# KiCad board mainPCB.kicad_pcb (continued)
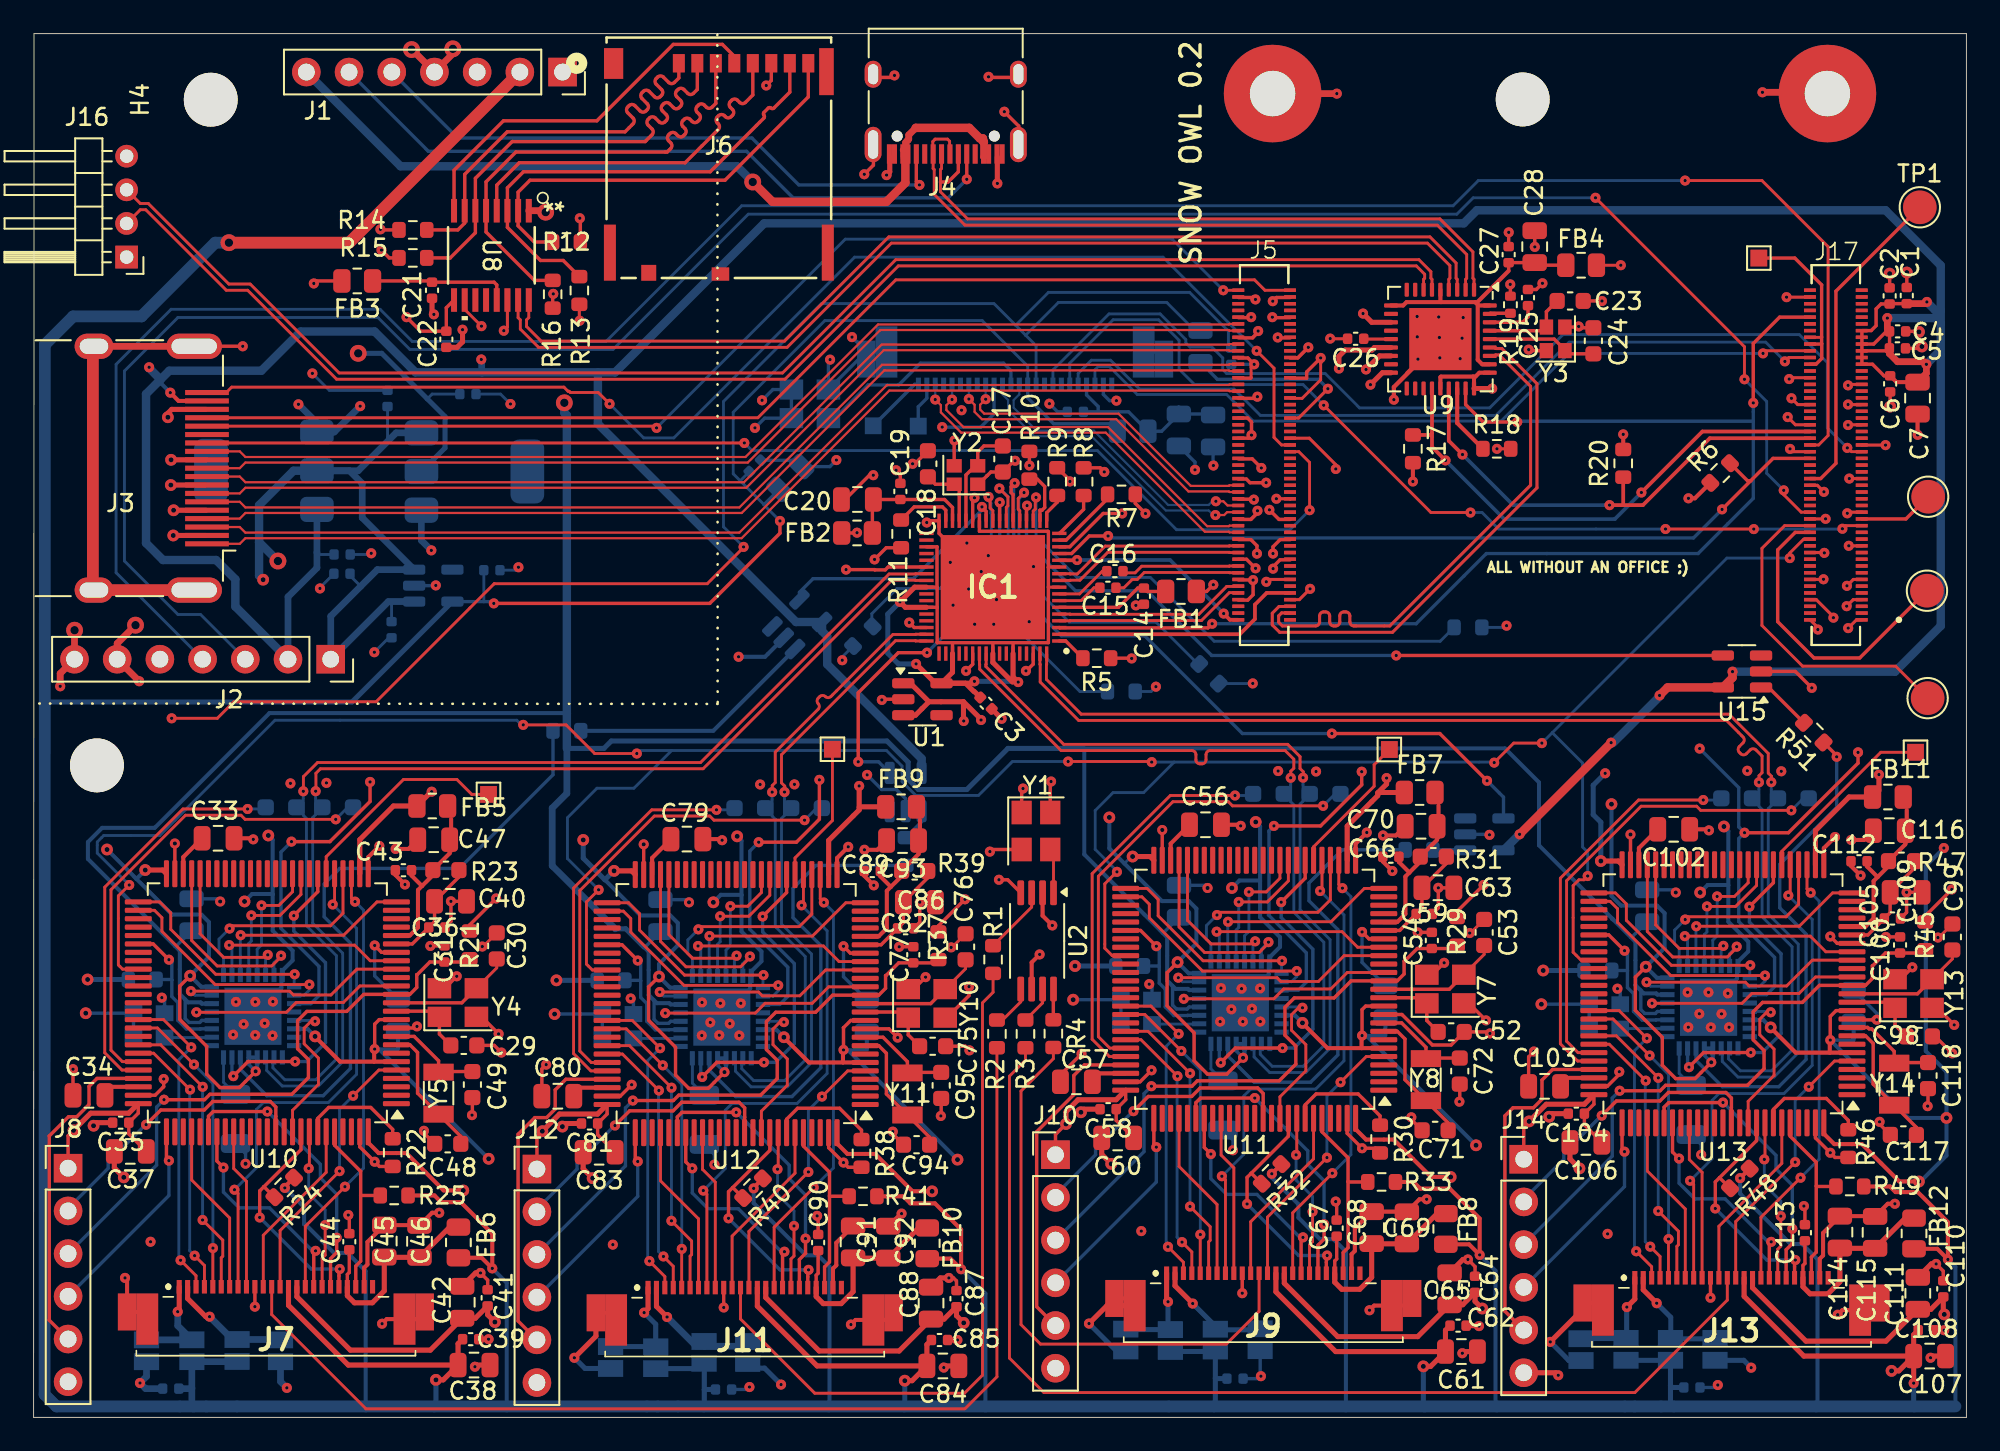
[diagram p0: board, top side]
## Library data of the parts
C1 C2 C5 C6 C14-C16 C19 C21 C22 C25-C27 C32 C35 C36 C39 C41 C43 C44 C55 C58 C59 C62 C64 C66 C67 C78 C81 C82 C85 C87 C89 C90 C101 C104 C105 C108 C110 C112 C113 C130 C133 C136 = -: Description: Unpolarized capacitor, small symbol; LCSC Part #: C1525; description/value: 0.1uF / decoupling cap; manufacturer part #: CL05B104KO5NNNC; package/footprint: 0402; part link: https://www.lcsc.com/product-detail/Multilayer-Ceramic-Capacitors-MLCC-SMD-SMT_Samsung-Electro-Mechanics-CL05B104KO5NNNC_C1525.html?s_z=n_0.1%2520uF%2520capacitor; supplier: LCSC; type: SMD; ki_fp_filters: C_*
C3 C8-C13 C31 C54 C77 C100 = -: Description: Unpolarized capacitor, small symbol; LCSC Part #: C14445; manufacturer part #: CL05B104KO5NNNC; package/footprint: 0402; part link: https://lcsc.com/product-detail/Multilayer-Ceramic-Capacitors-MLCC-SMD-SMT_Samsung-Electro-Mechanics-CL05A105KP5NNNC_C14445.html; supplier: LCSC; type: SMD; ki_fp_filters: C_*
C4 = -: Description: Unpolarized capacitor, small symbol; LCSC Part #: C1525; description/value: 0.1uF / decoupling ca; manufacturer part #: CL05B104KO5NNNC; package/footprint: 0402; part link: https://www.lcsc.com/product-detail/Multilayer-Ceramic-Capacitors-MLCC-SMD-SMT_Samsung-Electro-Mechanics-CL05B104KO5NNNC_C1525.html?s_z=n_0.1%2520uF%2520capacitor; supplier: LCSC; type: SMD; ki_fp_filters: C_*
C7 C20 C28 C37 C46 C47 C60 C69 C70 C83 C92 C93 C106 C115 C116 C132 = -: Description: Unpolarized capacitor; LCSC Part #: C15850; description/value: 10uF capacitor; manufacturer part #: CL21A106KAYNNNE; package/footprint: 0805; part link: https://www.lcsc.com/product-detail/Multilayer-Ceramic-Capacitors-MLCC-SMD-SMT_Samsung-Electro-Mechanics-CL21A106KAYNNNE_C15850.html?s_z=n_10%2520uF%2520capacitor; supplier: LCSC; type: SMD; ki_fp_filters: C_*
C17 C18 = -: manufacturer part #: CL10C150JB8NNNC; package/footprint: 0603; part link: https://lcsc.com/product-detail/Multilayer-Ceramic-Capacitors-MLCC-SMD-SMT_Samsung-Electro-Mechanics-CL10C150JB8NNNC_C1644.html?s_z=n_15pF; supplier: LCSC; LCSC Part #: C1647; ki_fp_filters: C_*
C23 C24 = -: manufacturer part #: CL10C150JB8NNNC; package/footprint: 0603; part link: https://lcsc.com/product-detail/Multilayer-Ceramic-Capacitors-MLCC-SMD-SMT_Samsung-Electro-Mechanics-CL10C150JB8NNNC_C1644.html?s_z=n_15pF; supplier: LCSC; LCSC Part #: C1644; ki_fp_filters: C_*
C29 C30 C48 C49 C52 C53 C71 C72 C75 C76 C94 C95 C98 C99 C117 C118 = -: Description: 17pF cap; manufacturer part #: 0603CG170J500NT; package/footprint: 0603; part link: https://lcsc.com/product-detail/Multilayer-Ceramic-Capacitors-MLCC-SMD-SMT_FH-Guangdong-Fenghua-Advanced-Tech-0603CG170J500NT_C3037647.html?s_z=n_17pF; supplier: LCSC; LCSC Part #: C3037647; ki_fp_filters: C_*
C33 C34 C50 C51 C56 C57 C73 C74 C79 C80 C96 C97 C102 C103 C119 C120 = -: manufacturer part #: CL21B225KAFNNNE; package/footprint: 0805; part link: https://lcsc.com/product-detail/Multilayer-Ceramic-Capacitors-MLCC-SMD-SMT_Samsung-Electro-Mechanics-CL21B225KAFNNNE_C19110.html?s_z=n_2.2uF; supplier: LCSC; LCSC Part #: C19110; ki_fp_filters: C_*
C38 C40 C42 C45 C61 C63 C65 C68 C84 C86 C88 C91 C107 C109 C111 C114 C131 C134 C135 = -: Description: Unpolarized capacitor, small symbol; LCSC Part #: C28323; description/value: 1uF unpolarized capacitor; manufacturer part #: CL21B105KBFNNNE; package/footprint: 0805; part link: https://lcsc.com/product-detail/Multilayer-Ceramic-Capacitors-MLCC-SMD-SMT_Samsung-Electro-Mechanics-CL21B105KBFNNNE_C28323.html?s_z=n_1uf; supplier: LCSC; type: SMD; ki_fp_filters: C_*
FB1-FB12 FB14 = -: Description: ferrite bead; LCSC Part #: C81034; description/value: 100mΩ ±25% 600Ω@100MHz 0805 Ferrite Beads ROHS; manufacturer part #: MPZ2012S601ATD25; package/footprint: 0805; part link: https://lcsc.com/product-detail/Ferrite-Beads_TDK-MPZ2012S601ATD25_C81034.html?s_z=n_ferrite%2520bead; supplier: LCSC; type: SMD; ki_fp_filters: Inductor_* L_* *Ferrite*
H1 H2 H4 = -: Description: Mounting Hole without connection; ki_fp_filters: MountingHole*
IC1 = -: Datasheet: https://datasheet.datasheetarchive.com/originals/distributors/Datasheets-DGA2/215560.pdf; Description: The PD720201 is a USB host controller LSI compatible with the USB 3.0 and xHCI (eXtensible Host Controller Interface) 1.0 specifications. The system bus is compatible with the PCIe Gen2 specification. The controller provides four USB ports with LS (Low-Speed) / FS (Full-Speed) / HS (High-Speed) / SS (SuperSpeed) support.The PD720201 comes in a 68-pin QFN package and has the following improvements over previous products.	Reduced power consumption in low-power mode to 4.5mW, a reduction of 90% compared with; Height: 0.9; Mouser Part Number: 968-D720201K8701BACA; Mouser Price/Stock: https://www.mouser.co.uk/ProductDetail/Renesas-Electronics/UPD720201K8-701-BAC-A?qs=ZVKuL1Ob8AtrmhsKb6f8TQ%3D%3D; Manufacturer_Name: Renesas Electronics; LCSC Part #: C355375
IC2-IC5 = -: Datasheet: https://datasheet.datasheetarchive.com/originals/distributors/Datasheets_SAMA/55c18b0cf0f4906debadc88918317678.pdf; Description: Highly Integrated Full Featured Hi-Speed USB 2.0 ULPI%D Transceiver; Height: 1; Mouser Part Number: 886-USB3320C-EZK-TR; Mouser Price/Stock: https://www.mouser.co.uk/ProductDetail/Microchip-Technology/USB3320C-EZK-TR?qs=pA5MXup5wxFLWWzXkMzUXA%3D%3D; Manufacturer_Name: Microchip; LCSC Part #: C132156
J1 J2 = -: Description: Generic connector, single row, 01x07, script generated; LCSC Part #: C2832270; ki_fp_filters: Connector*:*_1x??_*
J3 = -: Datasheet: https://en.wikipedia.org/wiki/HDMI; Description: HDMI type A connector; LCSC Part #: C720616; description/value: HDMI port; manufacturer part #: 2086581001; package/footprint: HDMI_A_Molex_208658-1001_Horizontal; part link: https://www.lcsc.com/product-detail/HDMI-Connectors_MOLEX-2086581001_C916313.html?s_z=n_HDMI%2520connector%2520molex; supplier: LCSC; type: Through hole; ki_fp_filters: HDMI*A*
J4 = -: Datasheet: https://www.usb.org/sites/default/files/documents/usb_type-c.zip; Description: USB 2.0-only 14P Type-C Receptacle connector; LCSC Part #: C319148; description/value: usbc receptiacle; manufacturer part #: U262-161N-4BVC11; package/footprint: USB_C_Receptacle_XKB_U262-16XN-4BVC11; part link: https://www.lcsc.com/product-detail/USB-Connectors_XKB-Enterprise-U262-161N-4BVC11_C319148.html; supplier: LCSC; type: through hole / SMD; ki_fp_filters: USB*C*Receptacle*
J5 J17 = -: MF: Hirose; MAXIMUM_PACKAGE_HEIGHT: 1.65mm; Package: None; Price: None; Check_prices: https://www.snapeda.com/parts/DF40C-100DS-0.4V(51)/Hirose/view-part/?ref=eda; STANDARD: Manufacturer Recommendations; PARTREV: Oct.1.2023; SnapEDA_Link: https://www.snapeda.com/parts/DF40C-100DS-0.4V(51)/Hirose/view-part/?ref=snap; MP: DF40C-100DS-0.4V(51); Description_1: 100 Position Connector Receptacle, Center Strip Contacts Surface Mount Gold; Availability: In Stock; MANUFACTURER: Hirose; LCSC Part #: C424649
J6 = -: Datasheet: 5033981892; LCSC Part #: C428492; description/value: sd card slot; manufacturer part #: 5033981892; package/footprint: SMD; part link: https://www.lcsc.com/product-detail/SD-Card-Memory-Card-Connector_MOLEX-5033981892_C428492.html?s_z=n_micro%2520SD%2520card; supplier: LCSC; type: SMD; ki_fp_filters: CONN_503398-1892_MOL
J7 J9 J11 J13 J15 = -: Datasheet: https://componentsearchengine.com/Datasheets/2/52437-2471.pdf; Description: FFC & FPC Connectors RA SMT ZIF BTTM 24P GOLD; Height: 2; Mouser Part Number: 538-52437-2471; Mouser Price/Stock: https://www.mouser.co.uk/ProductDetail/Molex/52437-2471?qs=nDwhpid8gJZdpyQIeZfjsA%3D%3D; Manufacturer_Name: Molex; LCSC Part #: C3169564
J8 J10 J12 J14 = -: Description: Generic connector, single row, 01x06, script generated; LCSC Part #: C37208; ki_fp_filters: Connector*:*_1x??_*
J16 = -: Description: Generic connector, single row, 01x04, script generated (kicad-library-utils/schlib/autogen/connector/); LCSC Part #: C2938466; ki_fp_filters: Connector*:*_1x??_*
JP1-JP16 = -: Description: Solder Jumper, 2-pole, open; ki_fp_filters: SolderJumper*Open*
R1-R4 = -: Description: series termination resistor; LCSC Part #: C23140; manufacturer part #: YAGEO; package/footprint: 0603; part link: https://lcsc.com/product-detail/Chip-Resistor-Surface-Mount_YAGEO-RC0603FR-0720RL_C125758.html?s_z=n_20Ohm; supplier: LCSC; type: SMD; ki_fp_filters: R_*
R5-R10 R12-R18 R20-R22 R26 R27 R29 R30 R34 R35 R37 R38 R42 R43 R45 R46 R50 R51 R61-R64 = -: Description: Resistor; LCSC Part #: C98220; description/value: 10kOhm resistor; manufacturer part #: RC0603FR-0710KL; package/footprint: 0603; part link: https://www.lcsc.com/product-detail/Chip-Resistor-Surface-Mount_YAGEO-RC0603FR-0710KL_C98220.html?s_z=n_10k; supplier: LCSC; type: SMD; ki_fp_filters: R_*
R11 = -: Description: Resistor; LCSC Part #: C165489; ki_fp_filters: R_*
R19 = -: Description: Resistor; LCSC Part #: C102781; ki_fp_filters: R_*
R23 R31 R39 R47 = -: Description: Resistor, small symbol; LCSC Part #: C2906974; ki_fp_filters: R_*
R24 R25 R32 R33 R40 R41 R48 R49 = -: Description: Resistor; LCSC Part #: C108078; description/value: 10kOhm resistor; manufacturer part #: RC0603FR-0710KL; package/footprint: 0603; part link: https://www.lcsc.com/product-detail/Chip-Resistor-Surface-Mount_YAGEO-RC0603FR-0710KL_C98220.html?s_z=n_10k; supplier: LCSC; type: SMD; ki_fp_filters: R_*
R28 R36 R44 R52 = -: Description: Resistor; LCSC Part #: C309581; ki_fp_filters: R_*
R53-R60 = -: Description: Resistor; LCSC Part #: C21189; ki_fp_filters: R_*
TP1-TP11 = -: Description: test point; ki_fp_filters: Pin* Test*
U1 = -: Datasheet: http://www.ti.com/lit/ds/symlink/tlv700.pdf; Description: 200mA Low Dropout Voltage Regulator, Fixed Output 1.2V, SOT-23-5; LCSC Part #: C469896; ki_fp_filters: SOT?23*
U2 = -: Datasheet: https://www.ti.com/lit/ds/symlink/cdcv304.pdf; Description: 0-200 MHz 1:4 Clock Buffer, PCI-X Compliant, TSSOP-8; manufacturer part #: CDCV304PWR; package/footprint: TSSOP-8; part link: https://lcsc.com/product-detail/Clock-Buffers-Drivers-Distributors_Texas-Instruments-CDCV304PWR_C105237.html?s_z=s_Clock%252FTiming%257CClock%2520Buffers%252C%2520Drivers%252C%2520Distributors; supplier: LCSC; LCSC Part #: C105237; ki_fp_filters: TSSOP*4.4x3mm*P0.65mm*
U3 = -: MF: Raspberry Pi; MAXIMUM_PACKAGE_HEIGHT: 5.188 mm; Package: None; Price: None; Check_prices: https://www.snapeda.com/parts/CM4102008/Raspberry+Pi/view-part/?ref=eda; STANDARD: Manufacturer Recommendations; PARTREV: 2021-10-12; SnapEDA_Link: https://www.snapeda.com/parts/CM4102008/Raspberry+Pi/view-part/?ref=snap; Description_1: Raspberry Pi Compute Module 4 with WiFi 2GB RAM 8GB Flash | Raspberry Pi CM4102008; Availability: Not in stock; MANUFACTURER: Raspberry Pi; LCSC Part #: C424649
U4 = -: Datasheet: https://www.diodes.com/assets/Datasheets/AP7361C.pdf; Description: 1A Low Dropout regulator, positive, 3.3V fixed output, SOT-223; LCSC Part #: C843780; ki_fp_filters: SOT?223*
U5 = -: Datasheet: http://www.advanced-monolithic.com/pdf/ds1117.pdf; Description: 1A Low Dropout regulator, positive, 1.5V fixed output, SOT-223; LCSC Part #: C16172; ki_fp_filters: SOT?223*TabPin2*
U6 = -: Datasheet: https://www.ti.com/lit/ds/symlink/tlv757p.pdf; Description: 1A Low IQ Small Size Low Dropout Voltage Regulator, Fixed Output 2.8V, SOT-23-5; LCSC Part #: C2863639; ki_fp_filters: SOT?23*
U7 U14 U16 = -: Datasheet: http://www.skyworksinc.com/uploads/documents/201937A.pdf; Description: Current Limited Load Switch, SOT-23-5; LSCS Part #: C517266; ki_fp_filters: SOT?23*
U8 = -: LCSC Part #: C284879; description/value: SD-Card controller; package/footprint: SSOP-16_GL823K-HCY04_GEN; part link: https://www.lcsc.com/product-detail/USB-Converters_Genesys-Logic-GL823K-HCY04_C284879.html; supplier: LCSC; type: SMD; ki_fp_filters: SSOP-16_GL823K-HCY04_GEN SSOP-16_GL823K-HCY04_GEN-M SSOP-16_GL823K-HCY04_GEN-L
U9 = -: Datasheet: http://ww1.microchip.com/downloads/en/DeviceDoc/00001692C.pdf; Description: USB 2.0 Hi-Speed Hub Controller; LCSC Part #: C16251; ki_fp_filters: QFN*6x6mm*P0.5mm*
U10-U13 = -: Datasheet: https://www.st.com/resource/en/datasheet/stm32h743vi.pdf; Description: STMicroelectronics Arm Cortex-M7 MCU, 2048KB flash, 1024KB RAM, 480 MHz, 1.71-3.6V, 82 GPIO, LQFP100; link: https://lcsc.com/product-detail/Microcontrollers-MCU-MPU-SOC_STMicroelectronics-STM32H743VIT6_C114409.html?s_z=n_STM32H743VI; LCSC Part #: C114409; ki_fp_filters: LQFP*14x14mm*P0.5mm*
U15 = -: Datasheet: http://www.skyworksinc.com/uploads/documents/201937A.pdf; Description: Current Limited Load Switch, SOT-23-5; LSCS #: C517266; ki_fp_filters: SOT?23*
Y1 Y16 = -: Description: 24Mhz oscillator; description/value: 24Mhz oscillator; manufacturer part #: XOS32024000LT00351005; package/footprint: SMD3225-4P; part link: https://lcsc.com/product-detail/Crystal-Oscillators_TOGNJING-XOS32024000LT00351005_C37635416.html?s_z=n_oscillator; supplier: LCSC; LCSC Part #: C37635416; ki_fp_filters: Oscillator*SMD*SeikoEpson*SG210*2.5x2.0mm*
Y2 Y3 = -: manufacturer part #: XTM20024000JT00351001; package/footprint: SMD2016-4P; part link: https://lcsc.com/product-detail/Crystals_TOGNJING-XTM20024000JT00351001_C37635323.html?s_z=n_24Mhz; supplier: LCSC; LCSC Part #: C37635323; ki_fp_filters: Crystal*
Y4 Y7 Y10 Y13 = -: Description: 25MHz crystal; manufacturer part #: X322525MOB4SI; package/footprint: SMD3225-4P; part link: https://lcsc.com/product-detail/Crystals_YXC-Crystal-Oscillators-X322525MOB4SI_C9006.html; supplier: LCSC; LCSC Part #: C9006; ki_fp_filters: Crystal*
Y5 Y8 Y11 Y14 = -: Description: 23.768KHz resonator; manufacturer part #: SC-32S32.768kHz20PPM12.5pF; supplier: LCSC; LCSC Part #: C97606; ki_fp_filters: Crystal*
Y6 Y9 Y12 Y15 = -: Datasheet: https://support.epson.biz/td/api/doc_check.php?mode=dl&lang=en&Parts=SG-210SED; Description: Crystal Oscillator Low Profile / High Stability SPXO; LCSC Part #: C19725356; ki_fp_filters: Oscillator*SMD*SeikoEpson*SG210*2.5x2.0mm*

## Footprints (pads in the part's own frame, mm; a bottom-side part is the same pattern mirrored in y, then rotated)
524372471
  rect 0.3x0.8 smd: 1(-5.75,3.15) 2(-5.25,3.15) 3(-4.75,3.15) 4(-4.25,3.15) 5(-3.75,3.15) 6(-3.25,3.15) 7(-2.75,3.15) 8(-2.25,3.15) 9(-1.75,3.15) 10(-1.25,3.15) 11(-0.75,3.15) 12(-0.25,3.15) 13(0.25,3.15) 14(0.75,3.15) 15(1.25,3.15) 16(1.75,3.15) 17(2.25,3.15) 18(2.75,3.15) 19(3.25,3.15) 20(3.75,3.15) 21(4.25,3.15) 22(4.75,3.15) 23(5.25,3.15) 24(5.75,3.15)
  rect 1.1x2.2 smd: AMP1(-8.85,1.65) AMP2(8.85,1.65)
  rect 1.3x3.05 smd: MP1(-7.65,1.225) MP2(7.65,1.225)
C_0402_1005Metric
  rrect 0.56x0.62 smd: 1(-0.48,0) 2(0.48,0)
C_0603_1608Metric
  rrect 0.9x0.95 smd: 1(-0.775,0) 2(0.775,0)
C_0805_2012Metric
  rrect 1x1.45 smd: 1(-0.95,0) 2(0.95,0)
CM4
  rect 0.2x0.7 smd: 1(7.3,18.54) 2(7.3,15.46) 3(6.9,18.54) 4(6.9,15.46) 5(6.5,18.54) 6(6.5,15.46) 7(6.1,18.54) 8(6.1,15.46) 9(5.7,18.54) 10(5.7,15.46) 11(5.3,18.54) 12(5.3,15.46) 13(4.9,18.54) 14(4.9,15.46) 15(4.5,18.54) 16(4.5,15.46) 17(4.1,18.54) 18(4.1,15.46) 19(3.7,18.54) 20(3.7,15.46) 21(3.3,18.54) 22(3.3,15.46) 23(2.9,18.54) 24(2.9,15.46) 25(2.5,18.54) 26(2.5,15.46) 27(2.1,18.54) 28(2.1,15.46) 29(1.7,18.54) 30(1.7,15.46) 31(1.3,18.54) 32(1.3,15.46) 33(0.9,18.54) 34(0.9,15.46) 35(0.5,18.54) 36(0.5,15.46) 37(0.1,18.54) 38(0.1,15.46) 39(-0.3,18.54) 40(-0.3,15.46) 41(-0.7,18.54) 42(-0.7,15.46) 43(-1.1,18.54) 44(-1.1,15.46) 45(-1.5,18.54) 46(-1.5,15.46) 47(-1.9,18.54) 48(-1.9,15.46) 49(-2.3,18.54) 50(-2.3,15.46) 51(-2.7,18.54) 52(-2.7,15.46) 53(-3.1,18.54) 54(-3.1,15.46) 55(-3.5,18.54) 56(-3.5,15.46) 57(-3.9,18.54) 58(-3.9,15.46) 59(-4.3,18.54) 60(-4.3,15.46) 61(-4.7,18.54) 62(-4.7,15.46) 63(-5.1,18.54) 64(-5.1,15.46) 65(-5.5,18.54) 66(-5.5,15.46) 67(-5.9,18.54) 68(-5.9,15.46) 69(-6.3,18.54) 70(-6.3,15.46) 71(-6.7,18.54) 72(-6.7,15.46) 73(-7.1,18.54) 74(-7.1,15.46) 75(-7.5,18.54) 76(-7.5,15.46) 77(-7.9,18.54) 78(-7.9,15.46) 79(-8.3,18.54) 80(-8.3,15.46) 81(-8.7,18.54) 82(-8.7,15.46) 83(-9.1,18.54) 84(-9.1,15.46) 85(-9.5,18.54) 86(-9.5,15.46) 87(-9.9,18.54) 88(-9.9,15.46) 89(-10.3,18.54) 90(-10.3,15.46) 91(-10.7,18.54) 92(-10.7,15.46) 93(-11.1,18.54) 94(-11.1,15.46) 95(-11.5,18.54) 96(-11.5,15.46) 97(-11.9,18.54) 98(-11.9,15.46) 99(-12.3,18.54) 100(-12.3,15.46) 101(7.3,-15.46) 102(7.3,-18.54) 103(6.9,-15.46) 104(6.9,-18.54) 105(6.5,-15.46) 106(6.5,-18.54) 107(6.1,-15.46) 108(6.1,-18.54) 109(5.7,-15.46) 110(5.7,-18.54) 111(5.3,-15.46) 112(5.3,-18.54) 113(4.9,-15.46) 114(4.9,-18.54) 115(4.5,-15.46) 116(4.5,-18.54) 117(4.1,-15.46) 118(4.1,-18.54) 119(3.7,-15.46) 120(3.7,-18.54) 121(3.3,-15.46) 122(3.3,-18.54) 123(2.9,-15.46) 124(2.9,-18.54) 125(2.5,-15.46) 126(2.5,-18.54) 127(2.1,-15.46) 128(2.1,-18.54) 129(1.7,-15.46) 130(1.7,-18.54) 131(1.3,-15.46) 132(1.3,-18.54) 133(0.9,-15.46) 134(0.9,-18.54) 135(0.5,-15.46) 136(0.5,-18.54) 137(0.1,-15.46) 138(0.1,-18.54) 139(-0.3,-15.46) 140(-0.3,-18.54) 141(-0.7,-15.46) 142(-0.7,-18.54) 143(-1.1,-15.46) 144(-1.1,-18.54) 145(-1.5,-15.46) 146(-1.5,-18.54) 147(-1.9,-15.46) 148(-1.9,-18.54) 149(-2.3,-15.46) 150(-2.3,-18.54) 151(-2.7,-15.46) 152(-2.7,-18.54) 153(-3.1,-15.46) 154(-3.1,-18.54) 155(-3.5,-15.46) 156(-3.5,-18.54) 157(-3.9,-15.46) 158(-3.9,-18.54) 159(-4.3,-15.46) 160(-4.3,-18.54) 161(-4.7,-15.46) 162(-4.7,-18.54) 163(-5.1,-15.46) 164(-5.1,-18.54) 165(-5.5,-15.46) 166(-5.5,-18.54) 167(-5.9,-15.46) 168(-5.9,-18.54) 169(-6.3,-15.46) 170(-6.3,-18.54) 171(-6.7,-15.46) 172(-6.7,-18.54) 173(-7.1,-15.46) 174(-7.1,-18.54) 175(-7.5,-15.46) 176(-7.5,-18.54) 177(-7.9,-15.46) 178(-7.9,-18.54) 179(-8.3,-15.46) 180(-8.3,-18.54) 181(-8.7,-15.46) 182(-8.7,-18.54) 183(-9.1,-15.46) 184(-9.1,-18.54) 185(-9.5,-15.46) 186(-9.5,-18.54) 187(-9.9,-15.46) 188(-9.9,-18.54) 189(-10.3,-15.46) 190(-10.3,-18.54) 191(-10.7,-15.46) 192(-10.7,-18.54) 193(-11.1,-15.46) 194(-11.1,-18.54) 195(-11.5,-15.46) 196(-11.5,-18.54) 197(-11.9,-15.46) 198(-11.9,-18.54) 199(-12.3,-15.46) 200(-12.3,-18.54)
  round 5.8 hole 2.7: SH1(-24,16.5) SH3(-24,-16.5)
cm4100pinconnector
  rect 0.2x0.7 smd: 1(9.8,1.54) 2(9.8,-1.54) 3(9.4,1.54) 4(9.4,-1.54) 5(9,1.54) 6(9,-1.54) 7(8.6,1.54) 8(8.6,-1.54) 9(8.2,1.54) 10(8.2,-1.54) 11(7.8,1.54) 12(7.8,-1.54) 13(7.4,1.54) 14(7.4,-1.54) 15(7,1.54) 16(7,-1.54) 17(6.6,1.54) 18(6.6,-1.54) 19(6.2,1.54) 20(6.2,-1.54) 21(5.8,1.54) 22(5.8,-1.54) 23(5.4,1.54) 24(5.4,-1.54) 25(5,1.54) 26(5,-1.54) 27(4.6,1.54) 28(4.6,-1.54) 29(4.2,1.54) 30(4.2,-1.54) 31(3.8,1.54) 32(3.8,-1.54) 33(3.4,1.54) 34(3.4,-1.54) 35(3,1.54) 36(3,-1.54) 37(2.6,1.54) 38(2.6,-1.54) 39(2.2,1.54) 40(2.2,-1.54) 41(1.8,1.54) 42(1.8,-1.54) 43(1.4,1.54) 44(1.4,-1.54) 45(1,1.54) 46(1,-1.54) 47(0.6,1.54) 48(0.6,-1.54) 49(0.2,1.54) 50(0.2,-1.54) 51(-0.2,1.54) 52(-0.2,-1.54) 53(-0.6,1.54) 54(-0.6,-1.54) 55(-1,1.54) 56(-1,-1.54) 57(-1.4,1.54) 58(-1.4,-1.54) 59(-1.8,1.54) 60(-1.8,-1.54) 61(-2.2,1.54) 62(-2.2,-1.54) 63(-2.6,1.54) 64(-2.6,-1.54) 65(-3,1.54) 66(-3,-1.54) 67(-3.4,1.54) 68(-3.4,-1.54) 69(-3.8,1.54) 70(-3.8,-1.54) 71(-4.2,1.54) 72(-4.2,-1.54) 73(-4.6,1.54) 74(-4.6,-1.54) 75(-5,1.54) 76(-5,-1.54) 77(-5.4,1.54) 78(-5.4,-1.54) 79(-5.8,1.54) 80(-5.8,-1.54) 81(-6.2,1.54) 82(-6.2,-1.54) 83(-6.6,1.54) 84(-6.6,-1.54) 85(-7,1.54) 86(-7,-1.54) 87(-7.4,1.54) 88(-7.4,-1.54) 89(-7.8,1.54) 90(-7.8,-1.54) 91(-8.2,1.54) 92(-8.2,-1.54) 93(-8.6,1.54) 94(-8.6,-1.54) 95(-9,1.54) 96(-9,-1.54) 97(-9.4,1.54) 98(-9.4,-1.54) 99(-9.8,1.54) 100(-9.8,-1.54)
CONN_503398-1892_MOL
  rect 0.711x1.092 smd: 1(-2.38,5.623) 2(-1.28,5.623) 3(-0.18,5.623) 4(0.92,5.623) 5(2.02,5.623) 6(3.12,5.623) 7(4.22,5.623) 8(5.32,5.623)
  rect 0.889x0.94 smd: 9(-4.17,-6.842)
  rect 1.041x0.787 smd: 10(0.095,-6.917)
  rect 1.143x1.829 smd: 11(-6.26,5.608)
  rect 0.711x3.327 smd: 12(-6.48,-5.642) 13(6.48,-5.642)
  rect 0.864x2.794 smd: 14(6.4,5.123)
Crystal_SMD_2016-4Pin_2.0x1.6mm
  rect 0.9x0.8 smd: 1(-0.7,-0.55) 2(0.7,-0.55) 3(0.7,0.55) 4(-0.7,0.55)
Crystal_SMD_3215-2Pin_3.2x1.5mm
  rect 1x1.8 smd: 1(1.25,0) 2(-1.25,0)
Crystal_SMD_3225-4Pin_3.2x2.5mm
  rect 1.4x1.2 smd: 1(-1.1,-0.85) 2(1.1,-0.85) 3(1.1,0.85) 4(-1.1,0.85)
HDMI_A_Molex_208658-1001_Horizontal
  rect 2.6x0.3 smd: 1(-3.285,4.5) 2(-3.285,4) 3(-3.285,3.5) 4(-3.285,3) 5(-3.285,2.5) 6(-3.285,2) 7(-3.285,1.5) 8(-3.285,1) 9(-3.285,0.5) 10(-3.285,0) 11(-3.285,-0.5) 12(-3.285,-1) 13(-3.285,-1.5) 14(-3.285,-2) 15(-3.285,-2.5) 16(-3.285,-3) 17(-3.285,-3.5) 18(-3.285,-4) 19(-3.285,-4.5)
  oval 3.3x1.5 hole 2.7x0.9: SH(-2.525,7.25) SH(-2.525,-7.25)
  oval 2.3x1.5 hole 1.7x0.9: SH(3.435,7.25) SH(3.435,-7.25)
LQFP-100_14x14mm_P0.5mm
  rrect 1.6x0.3 smd: 1(-7.675,6) 2(-7.675,5.5) 3(-7.675,5) 4(-7.675,4.5) 5(-7.675,4) 6(-7.675,3.5) 7(-7.675,3) 8(-7.675,2.5) 9(-7.675,2) 10(-7.675,1.5) 11(-7.675,1) 12(-7.675,0.5) 13(-7.675,0) 14(-7.675,-0.5) 15(-7.675,-1) 16(-7.675,-1.5) 17(-7.675,-2) 18(-7.675,-2.5) 19(-7.675,-3) 20(-7.675,-3.5) 21(-7.675,-4) 22(-7.675,-4.5) 23(-7.675,-5) 24(-7.675,-5.5) 25(-7.675,-6) 51(7.675,-6) 52(7.675,-5.5) 53(7.675,-5) 54(7.675,-4.5) 55(7.675,-4) 56(7.675,-3.5) 57(7.675,-3) 58(7.675,-2.5) 59(7.675,-2) 60(7.675,-1.5) 61(7.675,-1) 62(7.675,-0.5) 63(7.675,0) 64(7.675,0.5) 65(7.675,1) 66(7.675,1.5) 67(7.675,2) 68(7.675,2.5) 69(7.675,3) 70(7.675,3.5) 71(7.675,4) 72(7.675,4.5) 73(7.675,5) 74(7.675,5.5) 75(7.675,6)
  rrect 0.3x1.6 smd: 26(-6,-7.675) 27(-5.5,-7.675) 28(-5,-7.675) 29(-4.5,-7.675) 30(-4,-7.675) 31(-3.5,-7.675) 32(-3,-7.675) 33(-2.5,-7.675) 34(-2,-7.675) 35(-1.5,-7.675) 36(-1,-7.675) 37(-0.5,-7.675) 38(0,-7.675) 39(0.5,-7.675) 40(1,-7.675) 41(1.5,-7.675) 42(2,-7.675) 43(2.5,-7.675) 44(3,-7.675) 45(3.5,-7.675) 46(4,-7.675) 47(4.5,-7.675) 48(5,-7.675) 49(5.5,-7.675) 50(6,-7.675) 76(6,7.675) 77(5.5,7.675) 78(5,7.675) 79(4.5,7.675) 80(4,7.675) 81(3.5,7.675) 82(3,7.675) 83(2.5,7.675) 84(2,7.675) 85(1.5,7.675) 86(1,7.675) 87(0.5,7.675) 88(0,7.675) 89(-0.5,7.675) 90(-1,7.675) 91(-1.5,7.675) 92(-2,7.675) 93(-2.5,7.675) 94(-3,7.675) 95(-3.5,7.675) 96(-4,7.675) 97(-4.5,7.675) 98(-5,7.675) 99(-5.5,7.675) 100(-6,7.675)
MountingHole_3.2mm_M3
  round 3.2 hole 3.2 unplated: (0,0)
Oscillator_SMD_Kyocera_KC2520Z-4Pin_2.5x2.0mm
  rect 0.95x1.05 smd: 1(-0.725,0.925) 2(-0.725,-0.925) 3(0.725,-0.925) 4(0.725,0.925)
PinHeader_1x04_P2.00mm_Horizontal
  rect 1.35x1.35 hole 0.8: 1(0,0)
  oval 1.35x1.35 hole 0.8: 2(0,-2) 3(0,-4) 4(0,-6)
PinHeader_1x06_P2.54mm_Vertical
  rect 1.7x1.7 hole 1: 1(0,0)
  oval 1.7x1.7 hole 1: 2(0,-2.54) 3(0,-5.08) 4(0,-7.62) 5(0,-10.16) 6(0,-12.7)
PinSocket_1x07_P2.54mm_Vertical
  rect 1.7x1.7 hole 1: 1(0,0)
  oval 1.7x1.7 hole 1: 2(0,-2.54) 3(0,-5.08) 4(0,-7.62) 5(0,-10.16) 6(0,-12.7) 7(0,-15.24)
QFN40P800X800X90-69N-D
  rect 0.85x0.2 smd: 1(-3.95,3.2) 2(-3.95,2.8) 3(-3.95,2.4) 4(-3.95,2) 5(-3.95,1.6) 6(-3.95,1.2) 7(-3.95,0.8) 8(-3.95,0.4) 9(-3.95,0) 10(-3.95,-0.4) 11(-3.95,-0.8) 12(-3.95,-1.2) 13(-3.95,-1.6) 14(-3.95,-2) 15(-3.95,-2.4) 16(-3.95,-2.8) 17(-3.95,-3.2) 35(3.95,-3.2) 36(3.95,-2.8) 37(3.95,-2.4) 38(3.95,-2) 39(3.95,-1.6) 40(3.95,-1.2) 41(3.95,-0.8) 42(3.95,-0.4) 43(3.95,0) 44(3.95,0.4) 45(3.95,0.8) 46(3.95,1.2) 47(3.95,1.6) 48(3.95,2) 49(3.95,2.4) 50(3.95,2.8) 51(3.95,3.2)
  rect 0.2x0.85 smd: 18(-3.2,-3.95) 19(-2.8,-3.95) 20(-2.4,-3.95) 21(-2,-3.95) 22(-1.6,-3.95) 23(-1.2,-3.95) 24(-0.8,-3.95) 25(-0.4,-3.95) 26(0,-3.95) 27(0.4,-3.95) 28(0.8,-3.95) 29(1.2,-3.95) 30(1.6,-3.95) 31(2,-3.95) 32(2.4,-3.95) 33(2.8,-3.95) 34(3.2,-3.95) 52(3.2,3.95) 53(2.8,3.95) 54(2.4,3.95) 55(2,3.95) 56(1.6,3.95) 57(1.2,3.95) 58(0.8,3.95) 59(0.4,3.95) 60(0,3.95) 61(-0.4,3.95) 62(-0.8,3.95) 63(-1.2,3.95) 64(-1.6,3.95) 65(-2,3.95) 66(-2.4,3.95) 67(-2.8,3.95) 68(-3.2,3.95)
  rect 6.2x6.2 smd: 69(0,0)
QFN-36-1EP_6x6mm_P0.5mm_EP3.7x3.7mm
  rrect 0.99x0.99 smd: (-1.23,1.23) (-1.23,0) (-1.23,-1.23) (0,1.23) (0,0) (0,-1.23) (1.23,1.23) (1.23,0) (1.23,-1.23)
  rrect 0.825x0.25 smd: 1(-2.938,2) 2(-2.938,1.5) 3(-2.938,1) 4(-2.938,0.5) 5(-2.938,0) 6(-2.938,-0.5) 7(-2.938,-1) 8(-2.938,-1.5) 9(-2.938,-2) 19(2.938,-2) 20(2.938,-1.5) 21(2.938,-1) 22(2.938,-0.5) 23(2.938,0) 24(2.938,0.5) 25(2.938,1) 26(2.938,1.5) 27(2.938,2)
  rrect 0.25x0.825 smd: 10(-2,-2.938) 11(-1.5,-2.938) 12(-1,-2.938) 13(-0.5,-2.938) 14(0,-2.938) 15(0.5,-2.938) 16(1,-2.938) 17(1.5,-2.938) 18(2,-2.938) 28(2,2.938) 29(1.5,2.938) 30(1,2.938) 31(0.5,2.938) 32(0,2.938) 33(-0.5,2.938) 34(-1,2.938) 35(-1.5,2.938) 36(-2,2.938)
  rect 3.7x3.7 smd: 37(0,0)
R_0402_1005Metric
  rrect 0.54x0.64 smd: 1(-0.51,0) 2(0.51,0)
R_0603_1608Metric
  rrect 0.8x0.95 smd: 1(-0.825,0) 2(0.825,0)
R_0603_1608Metric_Pad0.98x0.95mm_HandSolder
  rrect 0.975x0.95 smd: 1(-0.912,0) 2(0.912,0)
R_0805_2012Metric
  rrect 1.025x1.4 smd: 1(-0.912,0) 2(0.912,0)
R_1206_3216Metric
  rrect 1.125x1.75 smd: 1(-1.462,0) 2(1.462,0)
SolderJumper-2_P1.3mm_Open_Pad1.0x1.5mm
  rect 1x1.5 smd: 1(-0.65,0) 2(0.65,0)
SOT-23-5
  rrect 1.325x0.6 smd: 1(-1.137,0.95) 2(-1.137,0) 3(-1.137,-0.95) 4(1.137,-0.95) 5(1.137,0.95)
SOT-223-3_TabPin2
  rrect 2x1.5 smd: 1(-3.15,2.3) 2(-3.15,0) 3(-3.15,-2.3)
  rrect 2x3.8 smd: 4(3.15,0)
SSOP-16_GL823K-HCY04_GEN
  rect 0.356x1.4 smd: 1(-2.218,-2.661) 2(-1.583,-2.661) 3(-0.948,-2.661) 4(-0.313,-2.661) 5(0.322,-2.661) 6(0.957,-2.661) 7(1.592,-2.661) 8(2.227,-2.661) 9(2.227,2.65) 10(1.592,2.65) 11(0.957,2.65) 12(0.322,2.65) 13(-0.313,2.65) 14(-0.948,2.65) 15(-1.583,2.65) 16(-2.218,2.65)
TestPoint_Pad_1.0x1.0mm
  rect 1x1 smd: 1(0,0)
TestPoint_Pad_D2.0mm
  round 2 smd: 1(0,0)
TSSOP-8_4.4x3mm_P0.65mm
  rrect 1.475x0.4 smd: 1(-2.862,0.975) 2(-2.862,0.325) 3(-2.862,-0.325) 4(-2.862,-0.975) 5(2.862,-0.975) 6(2.862,-0.325) 7(2.862,0.325) 8(2.862,0.975)
usb3320
  rect 0.85x0.3 smd: 1(-2.45,1.75) 2(-2.45,1.25) 3(-2.45,0.75) 4(-2.45,0.25) 5(-2.45,-0.25) 6(-2.45,-0.75) 7(-2.45,-1.25) 8(-2.45,-1.75) 17(2.45,-1.75) 18(2.45,-1.25) 19(2.45,-0.75) 20(2.45,-0.25) 21(2.45,0.25) 22(2.45,0.75) 23(2.45,1.25) 24(2.45,1.75)
  rect 0.3x0.85 smd: 9(-1.75,-2.45) 10(-1.25,-2.45) 11(-0.75,-2.45) 12(-0.25,-2.45) 13(0.25,-2.45) 14(0.75,-2.45) 15(1.25,-2.45) 16(1.75,-2.45) 25(1.75,2.45) 26(1.25,2.45) 27(0.75,2.45) 28(0.25,2.45) 29(-0.25,2.45) 30(-0.75,2.45) 31(-1.25,2.45) 32(-1.75,2.45)
  rect 3.4x3.4 smd: 33(0,0)
USB_C_Receptacle_XKB_U262-16XN-4BVC11
  round 0.65 hole 0.65 unplated: (-2.89,2.605) (2.89,2.605)
  rect 0.3x1.15 smd: A1(-3.35,3.67) A4(-2.55,3.67) A5(-1.25,3.67) A6(-0.25,3.67) A7(0.25,3.67) A8(1.25,3.67) A9(2.55,3.67) A12(3.35,3.67) B1(3.05,3.67) B4(2.25,3.67) B5(1.75,3.67) B6(0.75,3.67) B7(-0.75,3.67) B8(-1.75,3.67) B9(-2.25,3.67) B12(-3.05,3.67)
  oval 1x2.1 hole 0.6x1.7: S1(-4.32,3.105) S1(4.32,3.105)
  oval 1x1.6 hole 0.6x1.2: S1(-4.32,-1.075) S1(4.32,-1.075)

## Nets
1.5v out: C11.1 C41.1 C42.1 C64.1 C65.1 C87.1 C88.1 C110.1 C111.1 C133.1 C134.1 J1.3 J7.15 J9.15 J11.15 J13.15 J15.15 U5.2
1.8v out: C50.2 C73.2 C96.2 C119.2 IC2.28 IC2.30 IC3.28 IC3.30 IC4.28 IC4.30 IC5.28 IC5.30 J1.1
2.8v out: C13.1 C32.1 C38.2 C39.1 C55.1 C61.2 C62.1 C78.1 C84.2 C85.1 C101.1 C107.2 C108.1 C135.2 C136.1 FB6.1 FB8.1 FB10.1 FB12.1 FB14.1 J1.2 J7.14 J9.14 J11.14 J13.14 J15.14 JP5.2 JP6.2 JP7.2 JP8.2 JP9.2 JP10.2 JP11.2 JP12.2 R24.1 R25.1 R32.1 R33.1 R40.1 R41.1 R48.1 R49.1 U6.5
+3.3V: C9.1 C10.1 C12.1 C22.2 C35.1 C37.1 C51.2 C58.1 C60.1 C74.2 C81.1 C83.1 C97.2 C104.1 C106.1 C120.2 FB1.1 FB2.1 FB3.2 FB4.2 FB5.1 FB7.1 FB9.1 FB11.1 IC1.15 IC1.29 IC1.40 IC1.49 IC1.57 IC1.66 IC2.11 IC2.14 IC2.20 IC2.21 IC2.32 IC3.11 IC3.14 IC3.20 IC3.21 IC3.32 IC4.11 IC4.14 IC4.20 IC4.21 IC4.32 IC5.11 IC5.14 IC5.20 IC5.21 IC5.32 J2.1 J8.1 J10.1 J12.1 J14.1 R5.1 R6.1 R7.1 R12.2 R13.2 R14.2 R15.2 R16.2 R17.2 R18.2 R20.2 R21.1 R26.2 R29.1 R34.2 R37.1 R42.2 R45.1 R50.2 R61.1 R62.1 R63.1 R64.1 U1.1 U1.3 U2.2 U2.6 U4.2 U5.3 U6.1 U6.3 U8.9 U9.15 U9.23 U9.27 U9.28 U10.6 U10.11 U10.27 U10.50 U10.75 U10.100 U11.6 U11.11 U11.27 U11.50 U11.75 U11.100 U12.6 U12.11 U12.27 U12.50 U12.75 U12.100 U13.6 U13.11 U13.27 U13.50 U13.75 U13.100 Y1.1 Y1.4 Y6.1 Y6.4 Y9.1 Y9.4 Y12.1 Y12.4 Y15.1 Y15.4 Y16.1 Y16.4
+5V: C1.1 C2.1 C4.1 C5.1 C6.1 C7.1 C8.1 J2.2 J3.18 J16.1 U3.77 U3.79 U3.81 U3.83 U3.85 U3.87 U4.3 U7.5 U8.10 U14.5 U15.5 U16.5
/1.05V out: C3.1 IC1.9 IC1.12 IC1.28 IC1.37 IC1.43 IC1.46 IC1.54 IC1.60 IC1.63 U1.5
GND: C1.2 C2.2 C3.2 C4.2 C5.2 C6.2 C7.2 C8.2 C9.2 C10.2 C11.2 C12.2 C13.2 C14.1 C17.1 C18.1 C19.1 C20.1 C21.2 C22.1 C23.1 C24.1 C25.2 C26.2 C27.1 C28.1 C29.1 C30.1 C31.2 C32.2 C33.1 C34.1 C35.2 C36.1 C37.2 C38.1 C39.2 C40.1 C41.2 C42.2 C43.2 C44.2 C45.2 C46.2 C47.2 C48.2 C49.2 C50.1 C51.1 C52.1 C53.1 C54.2 C55.2 C56.1 C57.1 C58.2 C59.1 C60.2 C61.1 C62.2 C63.1 C64.2 C65.2 C66.2 C67.2 C68.2 C69.2 C70.2 C71.2 C72.2 C73.1 C74.1 C75.1 C76.1 C77.2 C78.2 C79.1 C80.1 C81.2 C82.1 C83.2 C84.1 C85.2 C86.1 C87.2 C88.2 C89.2 C90.2 C91.2 C92.2 C93.2 C94.2 C95.2 C96.1 C97.1 C98.1 C99.1 C100.2 C101.2 C102.1 C103.1 C104.2 C105.1 C106.2 C107.1 C108.2 C109.1 C110.2 C111.2 C112.2 C113.2 C114.2 C115.2 C116.2 C117.2 C118.2 C119.1 C120.1 C130.2 C131.2 C132.2 C133.2 C134.2 C135.1 C136.2 IC1.34 IC1.69 IC2.8 IC2.33 IC3.8 IC3.33 IC4.8 IC4.33 IC5.8 IC5.33 J1.4 J2.6 J2.7 J3.2 J3.5 J3.8 J3.11 J3.17 J3.SH J4.A1 J4.A12 J4.B1 J4.B12 J4.S1 J6.6 J7.10 J7.23 J7.AMP1 J7.AMP2 J7.MP1 J7.MP2 J8.6 J9.10 J9.23 J9.AMP1 J9.AMP2 J9.MP1 J9.MP2 J10.6 J11.10 J11.23 J11.AMP1 J11.AMP2 J11.MP1 J11.MP2 J12.6 J13.10 J13.23 J13.AMP1 J13.AMP2 J13.MP1 J13.MP2 J14.6 J15.10 J15.23 J15.AMP1 J15.MP1 J16.4 JP1.2 JP2.2 JP3.2 JP4.2 JP13.2 JP14.2 JP15.2 JP16.2 R8.1 R9.1 R10.1 R11.2 R19.1 R22.2 R28.2 R30.2 R36.2 R38.2 R44.2 R46.2 R52.2 U1.2 U2.4 U3.1 U3.2 U3.7 U3.8 U3.13 U3.14 U3.22 U3.23 U3.32 U3.33 U3.42 U3.43 U3.52 U3.53 U3.59 U3.60 U3.65 U3.66 U3.71 U3.74 U3.98 U3.107 U3.108 U3.113 U3.114 U3.119 U3.120 U3.125 U3.126 U3.131 U3.132 U3.137 U3.138 U3.144 U3.150 U3.155 U3.156 U3.161 U3.162 U3.167 U3.168 U3.173 U3.174 U3.179 U3.180 U3.185 U3.186 U3.191 U3.192 U3.197 U3.198 U3.SH1 U3.SH3 U4.1 U5.1 U6.2 U7.2 U8.1 U8.14 U9.12 U9.16 U9.18 U9.37 U10.10 U10.19 U10.26 U10.49 U10.74 U10.99 U11.10 U11.19 U11.26 U11.49 U11.74 U11.99 U12.10 U12.19 U12.26 U12.49 U12.74 U12.99 U13.10 U13.19 U13.26 U13.49 U13.74 U13.99 U14.2 U15.2 U16.2 Y1.2 Y2.2 Y2.4 Y3.2 Y3.4 Y4.2 Y4.4 Y6.2 Y7.2 Y7.4 Y9.2 Y10.2 Y10.4 Y12.2 Y13.2 Y13.4 Y15.2 Y16.2
/GPIO_TP_1: TP1.1 U3.44
/GPIO_TP_2: TP2.1 U3.31
/GPIO_TP_3: TP3.1 U3.30
/GPIO_TP_4: TP4.1 U3.28
/HDMI_CEC: J3.13 U3.151
/HDMI_CK+: J3.10 U3.188
/HDMI_CK-: J3.12 U3.190
/HDMI_D0+: J3.7 U3.182
/HDMI_D0-: J3.9 U3.184
/HDMI_D1+: J3.4 U3.176
/HDMI_D1-: J3.6 U3.178
/HDMI_D2+: J3.1 U3.170
/HDMI_D2-: J3.3 U3.172
/HDMI_HPD: J3.19 U3.153
/HDMI_SCL: J3.15 U3.200
/HDMI_SDA: J3.16 U3.199
/MCLK: J15.12 Y16.3
/MCLK0: J7.12 R2.2
/MCLK1: J11.12 R1.2
/MCLK2: J9.12 R4.2
/MCLK3: J13.12 R3.2
/MIPI_AF_GND: J15.1 TP5.1
/MIPI_AF_VDD: J15.2 TP6.1
/MIPI_AVDD: C130.1 C131.1 C132.1 FB14.2 J15.21
/MIPI_CMPDNF: J15.17 U3.51
/MIPI_MCN: J15.7 U3.140
/MIPI_MCP: J15.9 U3.142
/MIPI_MDN0: J15.3 U3.128
/MIPI_MDN1: J15.11 U3.134
/MIPI_MDP0: J15.5 U3.130
/MIPI_MDP1: J15.13 U3.136
/MIPI_RESET: J15.19 U3.29
/MIPI_SCL: J15.20 U3.80
/MIPI_SDA: J15.22 U3.82
/PCIe_CLK_N: IC1.5 U3.112
/PCIe_CLK_nREQ: IC1.13 U3.102
/PCIe_CLK_P: IC1.4 U3.110
/PCIe_nRST: IC1.2 U3.109
/PCIe_RX+: C15.2 U3.116
/PCIe_RX-: C16.2 U3.118
/PCIe_TX+: IC1.10 U3.122
/PCIe_TX-: IC1.11 U3.124
/PONRSTB: IC1.14 R6.2 U3.50
/power SCL: J2.3 U3.34
/power SDA: J2.4 U3.54
/RUN_PG: IC1.3 U3.92 U9.26
/STM32_0_USB_D+: IC1.41 IC2.18 R57.2
/STM32_0_USB_D-: IC1.42 IC2.19 R53.2
/STM32_0_USB_VBUS: R27.2 U16.1
/STM32_1_USB_D+: IC1.50 IC4.18 R59.2
/STM32_1_USB_D-: IC1.51 IC4.19 R55.2
/STM32_1_USB_VBUS: R43.2 U7.1
/STM32_2_USB_D+: IC1.58 IC3.18 R58.2
/STM32_2_USB_D-: IC1.59 IC3.19 R54.2
/STM32_2_USB_VBUS: R35.2 U14.1
/STM32_3_USB_D+: IC1.67 IC5.18 R60.2
/STM32_3_USB_D-: IC1.68 IC5.19 R56.2
/STM32_3_USB_VBUS: R51.2 U15.1
/stm-camera0/AFVDD2.8V: J7.1 JP9.1 JP13.1
/stm-camera0/BACKUP_USB_D+: R57.1 U10.71
/stm-camera0/BACKUP_USB_D-: R53.1 U10.70
/stm-camera0/cam_SCL: J7.20 R24.2 U10.92
/stm-camera0/cam_SDA: J7.22 R25.2 U10.96
/stm-camera0/HSYNC: J7.16 U10.28
/stm-camera0/PCLK: J7.8 U10.30
/stm-camera0/PHY-RESETB: IC2.27 R26.1 U10.56
/stm-camera0/PWDN: J7.17 U10.82
/stm-camera0/RST: J7.19 U10.81
/stm-camera0/STM_RST: C31.1 J8.3 R21.2 U10.14
/stm-camera0/STMPHY_CLKOUT: IC2.1 U10.29
/stm-camera0/STMPHY_D0: IC2.3 U10.25
/stm-camera0/STMPHY_D1: IC2.4 U10.34
/stm-camera0/STMPHY_D2: IC2.5 U10.35
/stm-camera0/STMPHY_D3: IC2.6 U10.46
/stm-camera0/STMPHY_D4: IC2.7 U10.47
/stm-camera0/STMPHY_D5: IC2.9 U10.51
/stm-camera0/STMPHY_D6: IC2.10 U10.52
/stm-camera0/STMPHY_D7: IC2.13 U10.91
/stm-camera0/STMPHY_DIR: IC2.31 U10.17
/stm-camera0/STMPHY_NXT: IC2.2 U10.18
/stm-camera0/STMPHY_OP_ID: IC2.23 U10.32
/stm-camera0/STMPHY_STP: IC2.29 U10.15
/stm-camera0/SWCLK: J8.4 U10.76
/stm-camera0/SWDIO: J8.5 U10.72
/stm-camera0/SWO: J8.2 U10.89
/stm-camera0/VSYNC: J7.18 U10.93
/stm-camera0/Y0: J7.6 U10.68
/stm-camera0/Y1: J7.4 U10.69
/stm-camera0/Y2: J7.3 U10.65
